# Altium PCB 2022_July.PcbDoc (part 2 of 2)
Units mil, origin at the board's own origin, x right, y up, seen from the top; angles counter-clockwise.
Board outline 3945 x 3530 mil, 3 copper layers (Top Layer, Mid-Layer 1, Bottom Layer); 114 components, 0 nets, 397 pads, 105 vias.
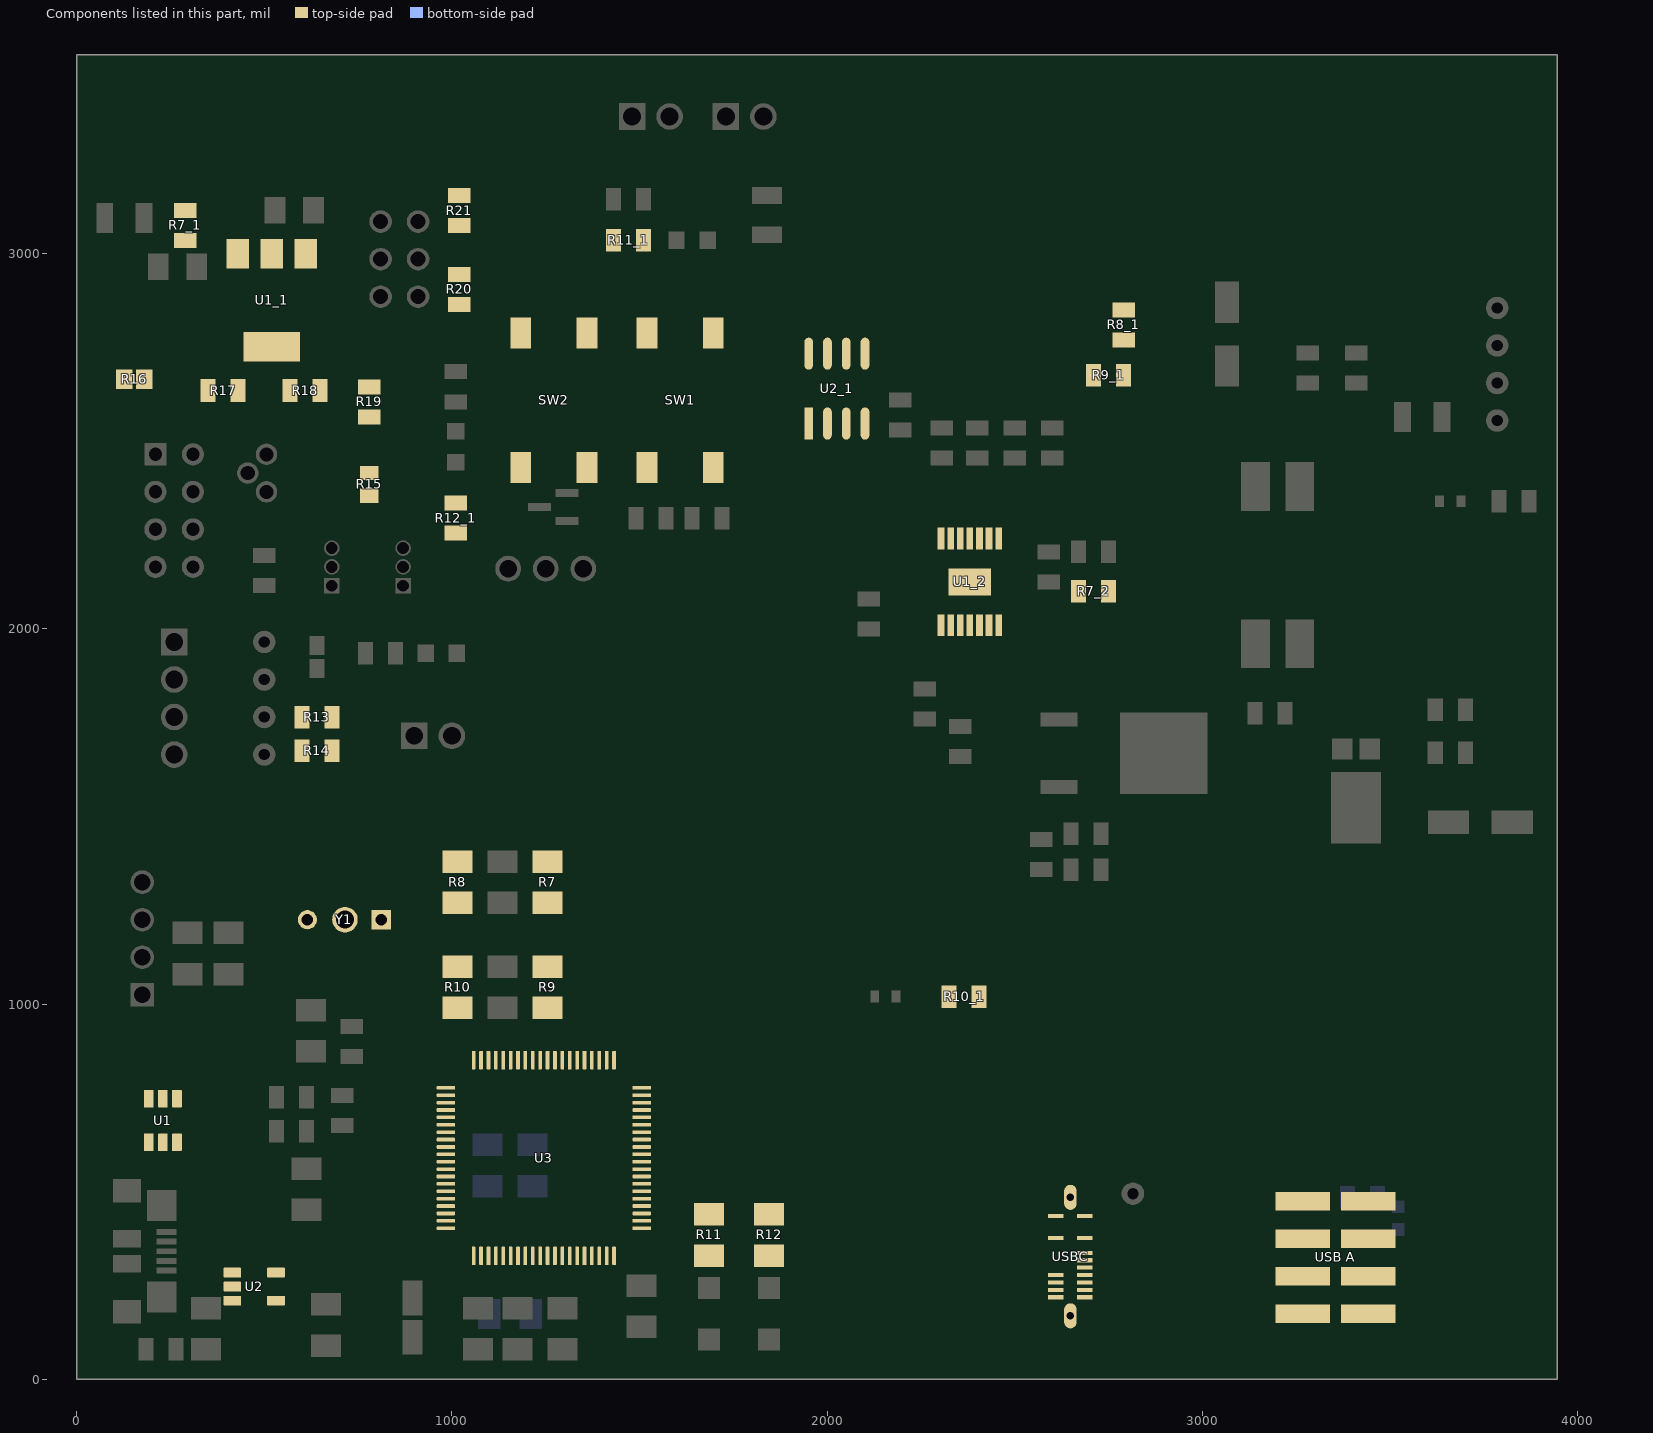
[diagram p3: the components of this part, seen from the top]

## Part data (continued)
R7: library part ERJ-P08J244V, "RES SMD 240K OHM 5% 2/3W 1206", Digi-Key Part Number=P240KALCT-ND, Manufacturer="Panasonic Electronic Components", Operating Temperature="-55°C ~ 155°C", Package / Case="1206 (3216 Metric)", Power (Watts)="0.667W, 2/3W", Supplier Device Package=1206, Temperature Coefficient=±200ppm/°C, Tolerance=±5%, @ qty=1500, Composition="Thick Film", Datasheets=https://industrial.panasonic.com/cdbs/www-data/pdf/RDA0000/AOA0000C243.pdf, Factory Stock=0, Failure Rate=-, Features="Automotive AEC-Q200, Pulse Withstanding", Height - Seated (Max)="0.028\" (0.70mm)", Image=//media.digikey.com/Renders/Panasonic%20Renders/ERJ-1206%20Pkg.jpg, Minimum Quantity=1, Number of Terminations=2, Packaging="Cut Tape (CT)", Part Number=ERJ-P08J244V, Part Status=Active, Quantity Available=21188, Series=ERJ, Size / Dimension="0.126\" L x 0.063\" W (3.20mm x 1.60mm)", Unit Price (USD)=0.02178
R7_1: library part ERJ-6GEY0R00V, "RES SMD 0 OHM JUMPER 1/8W 0805", Digi-Key Part Number=P0.0ACT-ND, Manufacturer="Panasonic Electronic Components", Operating Temperature="-55°C ~ 155°C", Package / Case="0805 (2012 Metric)", Power (Watts)="0.125W, 1/8W", Supplier Device Package=0805, Temperature Coefficient=-, Tolerance=Jumper, @ qty=1500, Composition="Thick Film", Datasheets=http://industrial.panasonic.com/www-cgi/jvcr13pz.cgi?E+PZ+3+AOA0001+ERJ6GEY0R00V+7+WW, Factory Stock=0, Failure Rate=-, Features="Automotive AEC-Q200", Height - Seated (Max)="0.028\" (0.70mm)", Image=//media.digikey.com/Renders/Panasonic%20Renders/ERJ-0805%20Pkg.jpg, Manufacturer Part Number=ERJ-6GEY0R00V, Minimum Quantity=1, Number of Terminations=2, Packaging="Cut Tape (CT)", Part Number=ERJ-6GEY0R00V, Part Status=Active, Quantity Available=1597627, Series=ERJ, Size / Dimension="0.079\" L x 0.049\" W (2.00mm x 1.25mm)", Unit Price (USD)=0.00544
R7_2: library part ERJ-6ENF4422V, "RES SMD 44.2K OHM 1% 1/8W 0805", Digi-Key Part Number=P44.2KCCT-ND, Manufacturer="Panasonic Electronic Components", Operating Temperature="-55°C ~ 155°C", Package / Case="0805 (2012 Metric)", Power (Watts)="0.125W, 1/8W", Supplier Device Package=0805, Temperature Coefficient=±100ppm/°C, Tolerance=±1%, @ qty=1500, Composition="Thick Film", Datasheets=http://industrial.panasonic.com/www-cgi/jvcr13pz.cgi?E+PZ+3+AOA0002+ERJ6ENF4422V+7+WW, Factory Stock=0, Failure Rate=-, Features="Automotive AEC-Q200", Height - Seated (Max)="0.028\" (0.70mm)", Image=//media.digikey.com/Renders/Panasonic%20Renders/ERJ-0805%20Pkg.jpg, Minimum Quantity=1, Number of Terminations=2, Packaging="Cut Tape (CT)", Part Number=ERJ-6ENF4422V, Part Status=Active, Quantity Available=47343, Series=ERJ, Size / Dimension="0.079\" L x 0.049\" W (2.00mm x 1.25mm)", Unit Price (USD)=0.00729
R8: library part ERJ-P08J154V, "RES SMD 150K OHM 5% 2/3W 1206", Digi-Key Part Number=P150KALCT-ND, Manufacturer="Panasonic Electronic Components", Operating Temperature="-55°C ~ 155°C", Package / Case="1206 (3216 Metric)", Power (Watts)="0.667W, 2/3W", Supplier Device Package=1206, Temperature Coefficient=±200ppm/°C, Tolerance=±5%, @ qty=1500, Composition="Thick Film", Datasheets=https://industrial.panasonic.com/cdbs/www-data/pdf/RDA0000/AOA0000C243.pdf, Factory Stock=0, Failure Rate=-, Features="Automotive AEC-Q200, Pulse Withstanding", Height - Seated (Max)="0.028\" (0.70mm)", Image=//media.digikey.com/Renders/Panasonic%20Renders/ERJ-1206%20Pkg.jpg, Minimum Quantity=1, Number of Terminations=2, Packaging="Cut Tape (CT)", Part Number=ERJ-P08J154V, Part Status=Active, Quantity Available=30000, Series=ERJ, Size / Dimension="0.126\" L x 0.063\" W (3.20mm x 1.60mm)", Unit Price (USD)=0.02178
R8_1: library part ERJ-6ENF4222V, "RES SMD 42.2K OHM 1% 1/8W 0805", Digi-Key Part Number=P42.2KCCT-ND, Manufacturer="Panasonic Electronic Components", Operating Temperature="-55°C ~ 155°C", Package / Case="0805 (2012 Metric)", Power (Watts)="0.125W, 1/8W", Supplier Device Package=0805, Temperature Coefficient=±100ppm/°C, Tolerance=±1%, @ qty=1500, Composition="Thick Film", Datasheets=http://industrial.panasonic.com/www-cgi/jvcr13pz.cgi?E+PZ+3+AOA0002+ERJ6ENF4222V+7+WW, Factory Stock=0, Failure Rate=-, Features="Automotive AEC-Q200", Height - Seated (Max)="0.028\" (0.70mm)", Image=//media.digikey.com/Renders/Panasonic%20Renders/ERJ-0805%20Pkg.jpg, Minimum Quantity=1, Number of Terminations=2, Packaging="Cut Tape (CT)", Part Number=ERJ-6ENF4222V, Part Status=Active, Quantity Available=30408, Series=ERJ, Size / Dimension="0.079\" L x 0.049\" W (2.00mm x 1.25mm)", Unit Price (USD)=0.00729
R9 R10: library part ERJ-P08J224V, "RES SMD 220K OHM 5% 2/3W 1206", Digi-Key Part Number=P220KALCT-ND, Manufacturer="Panasonic Electronic Components", Operating Temperature="-55°C ~ 155°C", Package / Case="1206 (3216 Metric)", Power (Watts)="0.667W, 2/3W", Supplier Device Package=1206, Temperature Coefficient=±200ppm/°C, Tolerance=±5%, @ qty=1500, Composition="Thick Film", Datasheets=https://industrial.panasonic.com/cdbs/www-data/pdf/RDA0000/AOA0000C243.pdf, Factory Stock=0, Failure Rate=-, Features="Automotive AEC-Q200, Pulse Withstanding", Height - Seated (Max)="0.028\" (0.70mm)", Image=//media.digikey.com/Renders/Panasonic%20Renders/ERJ-1206%20Pkg.jpg, Minimum Quantity=1, Number of Terminations=2, Packaging="Cut Tape (CT)", Part Number=ERJ-P08J224V, Part Status=Active, Quantity Available=11189, Series=ERJ, Size / Dimension="0.126\" L x 0.063\" W (3.20mm x 1.60mm)", Unit Price (USD)=0.02178
R9_1: library part ERJ-6ENF4701V, "RES SMD 4.7K OHM 1% 1/8W 0805", Digi-Key Part Number=P4.70KCCT-ND, Manufacturer="Panasonic Electronic Components", Operating Temperature="-55°C ~ 155°C", Package / Case="0805 (2012 Metric)", Power (Watts)="0.125W, 1/8W", Supplier Device Package=0805, Temperature Coefficient=±100ppm/°C, Tolerance=±1%, @ qty=1500, Composition="Thick Film", Datasheets=http://industrial.panasonic.com/www-cgi/jvcr13pz.cgi?E+PZ+3+AOA0002+ERJ6ENF4701V+7+WW, Factory Stock=0, Failure Rate=-, Features="Automotive AEC-Q200", Height - Seated (Max)="0.028\" (0.70mm)", Image=//media.digikey.com/Renders/Panasonic%20Renders/ERJ-0805%20Pkg.jpg, Minimum Quantity=1, Number of Terminations=2, Packaging="Cut Tape (CT)", Part Number=ERJ-6ENF4701V, Part Status=Active, Quantity Available=312387, Series=ERJ, Size / Dimension="0.079\" L x 0.049\" W (2.00mm x 1.25mm)", Unit Price (USD)=0.00729
R10_1: library part ERJ-6ENF3920V, "RES SMD 392 OHM 1% 1/8W 0805", Digi-Key Part Number=P392CCT-ND, Manufacturer="Panasonic Electronic Components", Operating Temperature="-55°C ~ 155°C", Package / Case="0805 (2012 Metric)", Power (Watts)="0.125W, 1/8W", Supplier Device Package=0805, Temperature Coefficient=±100ppm/°C, Tolerance=±1%, @ qty=1500, Composition="Thick Film", Datasheets=http://industrial.panasonic.com/www-cgi/jvcr13pz.cgi?E+PZ+3+AOA0002+ERJ6ENF3920V+7+WW, Factory Stock=0, Failure Rate=-, Features="Automotive AEC-Q200", Height - Seated (Max)="0.028\" (0.70mm)", Image=//media.digikey.com/Renders/Panasonic%20Renders/ERJ-0805%20Pkg.jpg, Minimum Quantity=1, Number of Terminations=2, Packaging="Cut Tape (CT)", Part Number=ERJ-6ENF3920V, Part Status=Active, Quantity Available=85711, Series=ERJ, Size / Dimension="0.079\" L x 0.049\" W (2.00mm x 1.25mm)", Unit Price (USD)=0.00729
R11: library part ERJ-8ENF4700V, "RES SMD 470 OHM 1% 1/4W 1206", Digi-Key Part Number=P470FCT-ND, Manufacturer="Panasonic Electronic Components", Operating Temperature="-55°C ~ 155°C", Package / Case="1206 (3216 Metric)", Power (Watts)="0.25W, 1/4W", Supplier Device Package=1206, Temperature Coefficient=±100ppm/°C, Tolerance=±1%, @ qty=1500, Composition="Thick Film", Datasheets=http://industrial.panasonic.com/www-cgi/jvcr13pz.cgi?E+PZ+3+AOA0002+ERJ8ENF4700V+7+WW, Factory Stock=0, Failure Rate=-, Features="Automotive AEC-Q200", Height - Seated (Max)="0.028\" (0.70mm)", Image=//media.digikey.com/Renders/Panasonic%20Renders/ERJ-1206%20Pkg.jpg, Minimum Quantity=1, Number of Terminations=2, Packaging="Cut Tape (CT)", Part Number=ERJ-8ENF4700V, Part Status=Active, Quantity Available=55045, Series=ERJ, Size / Dimension="0.126\" L x 0.063\" W (3.20mm x 1.60mm)", Unit Price (USD)=0.00933
R11_1: library part ERJ-6GEYJ132V, "RES SMD 1.3K OHM 5% 1/8W 0805", Manufacturer="KOA Speer Electronics, Inc.", Manufacturer Part Number=RK73B2ATTD132J, Operating Temperature="-55°C ~ 155°C", Package / Case="0805 (2012 Metric)", Datasheet Link=https://www.koaspeer.com/pdfs/RK73B.pdf, RoHS=YES
R12: library part ERJ-8ENF3900V, "RES SMD 390 OHM 1% 1/4W 1206", Digi-Key Part Number=P390FCT-ND, Manufacturer="Panasonic Electronic Components", Operating Temperature="-55°C ~ 155°C", Package / Case="1206 (3216 Metric)", Power (Watts)="0.25W, 1/4W", Supplier Device Package=1206, Temperature Coefficient=±100ppm/°C, Tolerance=±1%, @ qty=1500, Composition="Thick Film", Datasheets=http://industrial.panasonic.com/www-cgi/jvcr13pz.cgi?E+PZ+3+AOA0002+ERJ8ENF3900V+7+WW, Factory Stock=0, Failure Rate=-, Features="Automotive AEC-Q200", Height - Seated (Max)="0.028\" (0.70mm)", Image=//media.digikey.com/Renders/Panasonic%20Renders/ERJ-1206%20Pkg.jpg, Minimum Quantity=1, Number of Terminations=2, Packaging="Cut Tape (CT)", Part Number=ERJ-8ENF3900V, Part Status=Active, Quantity Available=65574, Series=ERJ, Size / Dimension="0.126\" L x 0.063\" W (3.20mm x 1.60mm)", Unit Price (USD)=0.00933
R12_1: library part ERJ-6ENF10R0V, "RES SMD 10 OHM 1% 1/8W 0805", Manufacturer=YAGEO, Manufacturer Part Number=RC0805FR-0710RL, Operating Temperature="-55°C ~ 155°C", Package / Case="0805 (2012 Metric)", Datasheet Link=https://www.yageo.com/upload/media/product/productsearch/datasheet/rchip/PYu-RC_Group_51_RoHS_L_11.pdf, RoHS=YES
R13 R14: library part ERJ-6ENF4701V, "RES SMD 4.7K OHM 1% 1/8W 0805", Manufacturer=YAGEO, Manufacturer Part Number=RT0805FRE074K7L, Operating Temperature="-55°C ~ 155°C", Package / Case="0805 (2012 Metric)", Datasheet Link=https://www.yageo.com/upload/media/product/productsearch/datasheet/rchip/PYu-RT_1-to-0.01_RoHS_L_12.pdf, RoHS=YES
R15: library part CMP-26527-000066-1, "RES 1M OHM 5% 1/8W 0805", Case Code (Imperial)=0805, Case Code (Metric)=2012, Manufacturer="Stackpole Electronics Inc", Manufacturer Part Number=RMCF0805JT1M00, Max Operating Temperature=155°C, Max Power Dissipation=125mW, Min Operating Temperature=-55°C, Resistance=1MR, Resistor Type="Thick Film", Temperature Coefficient=200ppm/°C, Tolerance=5%, Case/Package=0805, Construction=Rectangular, Contact Plating=Tin, Depth=1.25mm, Features="Automotive AEC-Q200", Height=0.026inch, Lead Free="Lead Free", Length=2mm, Military Standard=Not, Mount="Surface Mount", Number of Terminations=2, Packaging="Tape and Reel", Radiation Hardening=No, RoHS Compliant=Yes, Series=RMCF, Width=0.049inch
R16: library part CMP-26527-007436-1, "RES 10K OHM 1% 1/4W 0805", Case Code (Imperial)=0805, Case Code (Metric)=2012, Manufacturer="Stackpole Electronics Inc", Manufacturer Part Number=RNCP0805FTD10K0, Max Operating Temperature=155°C, Max Power Dissipation=250mW, Min Operating Temperature=-55°C, Resistance=10kR, Resistor Type="Thin Film", Temperature Coefficient=100ppm/°C, Tolerance=1%, Case/Package=0805, Features="Moisture Resistant", Height=0.024inch, Lead Free="Lead Free", Length=0.079inch, Mount="Surface Mount", Number of Terminations=2, Packaging="Tape and Reel", RoHS Compliant=Yes, Series=RNCP, Width=0.049inch
R17 R18 R19 R20 R21: library part ERJ-6ENF47R0V, "RES SMD 47 OHM 1% 1/8W 0805", Digi-Key Part Number=P47.0CCT-ND, Manufacturer="Panasonic Electronic Components", Operating Temperature="-55°C ~ 155°C", Package / Case="0805 (2012 Metric)", Power (Watts)="0.125W, 1/8W", Supplier Device Package=0805, Temperature Coefficient=±100ppm/°C, Tolerance=±1%, @ qty=1500, Composition="Thick Film", Datasheets=http://industrial.panasonic.com/www-cgi/jvcr13pz.cgi?E+PZ+3+AOA0002+ERJ6ENF47R0V+7+WW, Factory Stock=0, Failure Rate=-, Features="Automotive AEC-Q200", Height - Seated (Max)="0.028\" (0.70mm)", Image=//media.digikey.com/Renders/Panasonic%20Renders/ERJ-0805%20Pkg.jpg, Manufacturer Part Number=ERJ-6ENF47R0V, Minimum Quantity=1, Number of Terminations=2, Packaging="Cut Tape (CT)", Part Number=ERJ-6ENF47R0V, Part Status=Active, Quantity Available=66070, Series=ERJ, Size / Dimension="0.079\" L x 0.049\" W (2.00mm x 1.25mm)", Unit Price (USD)=0.00729
SW1 SW2: "SWITCH TACTILE SPST-NO 0.05A 24V", Manufacturer="TE Connectivity", Operating Temperature="-35°C ~ 85°C", Package / Case=Non-standard, Datasheet Link=https://www.te.com/commerce/DocumentDelivery/DDEController?Action=srchrtrv&DocNm=1308111-1_SWITCHES_CORE_PROGRAM_CATALOG&DocType=CS&DocLang=English, Manufacturer Part Number=FSM2JSMA, RoHS=YES
U1: library part CMP-0326-00058-3, "Low-Capacitance + / - 15-kV ESD Protection Array for High-Speed Data Interfaces, 4 Channels, -40 to +85 degC, 6-pin SOT-23 (DBV), Green (RoHS & no Sb/Br)", Breakdown Voltage(Min)(V)=11, IO Capacitance(Typ)(pF)=1.5, Manufacturer="Texas Instruments", 1394 / Firewire=TRUE, ComponentLink1Description="Manufacturer URL", ComponentLink1URL=http://www.ti.com/, ComponentLink2Description=Datasheet, ComponentLink2URL=http://www.ti.com/general/docs/lit/getliterature.tsp?genericPartNumber=TPD4E001&fileType=pdf, ComponentLink3Description="URL Link1", ComponentLink3URL=SamplesURL:http://www.ti.com/product/tpd4e001#samples, DatasheetVersion=SLLS682G, Eco-Plan="Green (RoHS & no Sb/Br)", IEC 61000-4-2 Air-Gap(+/- kV)=15, IEC 61000-4-2 Contact(+/- kV)=8, IO Leakage Current(nA)=1.5, Mounting Technology="Surface Mount", PackageDescription="6-Pin Plastic Small-Outline Package, 2.9 x 1.6 mm Body, 0.95 mm Pitch, 2.8 mm Lead Span", PackageReference=DBV0006A, PackageVersion="revK, Mar-2006", PartNumber=TPD4E001DBVR, Serial ATA / eSATA=TRUE, SubFamily="ESD Solution", USB High Speed=TRUE
U1_1: library part CMP-07128-000031-1, "IC REG LINEAR 3.3V 1A SOT223", Case/Package=SOT-223, Dropout Voltage=1.3V, Manufacturer="On Semiconductor", Max Input Voltage=18V, Max Operating Temperature=125°C, Max Output Current=1A, Min Current Limit=1.1A, Min Input Voltage=-300mV, Min Operating Temperature=0°C, Min Output Voltage=3.3V, Package Quantity=1, Power Supply Rejection Ratio (PSRR)=60dB, Quiescent Current=700uA, Reference Voltage=1.275V, Contact Plating=Tin, Halogen Free="Halogen Free", Height=1.69mm, Lead Free="Lead Free", Length=6.7mm, Manufacturer Part Number=NCP1117LPST33T3G, Mount="Surface Mount", Nominal Output Voltage=3.3V, Number of Outputs=1, Number of Pins=3, Number of Regulators=1, Output Current=1A, Output Type=Fixed, Output Voltage=3.3V, Packaging="Tape and Reel", Polarity=Positive, REACH SVHC="No SVHC", Width=3.7mm
U1_2: "Integrated Circuit", Manufacturer_Name="Texas Instruments", Datasheet Link=https://www.ti.com/lit/gpn/lm5156h?HQS=ti-null-null-sf-df-pf-sep-wwe&DCM=yes, Height=1.2mm, Manufacturer_Part_Number=LM5156HPWPR
U2: library part CMP-0394-01056-2, "Single Output LDO, 200 mA, Fixed 3.3 V Output, 2 to 5.5 V Input, with Low IQ, 5-pin SOT (DDC), -40 to 125 degC, Green (RoHS & no Sb/Br)", Manufacturer="Texas Instruments", Accuracy(%)=2, Code_JEDEC=MO-193, ComponentLink1Description="Manufacturer URL", ComponentLink1URL=http://www.ti.com/, ComponentLink2Description=Datasheet, ComponentLink2URL=http://www.ti.com/general/docs/lit/getliterature.tsp?genericPartNumber=TLV70033&fileType=pdf, ComponentLink3Description="Package Specification", ComponentLink3URL=http://www.ti.com/litv/pdf/mpds123d, DatasheetVersion=SLVSA00D, Eco-Plan="Green (RoHS & no Sb/Br)", Fixed Output Options(V)=3.3, Iout(Max)(A)=0.2, Iq(Typ)(mA)=0.03, Mounting Technology="Surface Mount", PackageDescription="5-Pin Plastic Small Outline, Body 2.9 x 1.6 mm, 0.95 mm Pitch", PackageReference=DDC0005A, PackageVersion=4204403-2/E, PartNumber=TLV70033DDCR, SubFamily="Single Channel LDO", Vdo(Typ)(mV)=175, Vin(Max)(V)=5.5, Vin(Min)(V)=2, Vout Adj(Max)(V)=3.3, Vout Adj(Min)(V)=3.3
U2_1: library part CMP-04916-000011-1, "IC VREF GND REF 20V 1% 8SOIC", Case/Package=SOIC, Max Input Voltage=40V, Max Operating Temperature=125°C, Max Output Current=20mA, Max Output Voltage=20V, Min Operating Temperature=-55°C, Min Output Voltage=2V, Operating Supply Current=400uA, Package Quantity=1, Temperature Coefficient=35ppm/°C, Tolerance=1%, Height=1.58mm, Lead Free="Lead Free", Length=4.9mm, Mount="Surface Mount", Number of Pins=8, Output Current=20mA, Output Type=Adjustable, Output Voltage=20V, Packaging="Tape and Reel", Radiation Hardening=No, REACH SVHC="No SVHC", Reference Type="Ground Reference (Virtual)", Reference Voltage=20V, Weight=0.002677oz, Width=3.91mm
U3: library part CMP-0365-00412-2, "25 MHz Mixed Signal Microcontroller with 128 KB Flash, 8192 B SRAM and 63 GPIOs, -40 to 85 degC, 80-pin QFP (PN), Green (RoHS & no Sb/Br)", Frequency(MHz)=25, Manufacturer="Texas Instruments", Temp Sensor=Yes, ADC="12-bit SAR", ADC Channels=16, Brown Out Reset=Yes, Code_JEDEC=MS-018, Comparators=Yes, ComponentLink1Description="Manufacturer URL", ComponentLink1URL=http://www.ti.com/, ComponentLink2Description=Datasheet, ComponentLink2URL=http://www.ti.com/general/docs/lit/getliterature.tsp?genericPartNumber=MSP430F5529&fileType=pdf, ComponentLink3Description="Package Specification", ComponentLink3URL=http://www.ti.com/lit/ml/mtqf010a/mtqf010a.pdf, DatasheetVersion=SLAS590I, DMA=3, Eco-Plan="Green (RoHS & no Sb/Br)", Flash(KB)=128, GPIO=63, Mounting Technology="Surface Mount", Multiplier=32x32, PackageDescription="80-Pin Plastic Quad Flat Pack, Body 12 x 12 mm, Pitch 0.5 mm", PackageReference=PN0080A, PartNumber=MSP430F5529IPN, Real-Time Clock=Yes, SRAM(B)=8192, SubFamily="5 Series", SVS=Yes, Timers - 16-bit=4, USB=1, USCI_A (UART/LIN/IrDA/SPI)=2, USCI_B (I2C & SPI)=2, Watchdog=Yes
"USB A": "USB A header", Digi-Key Part Number=WM17458-ND, Manufacturer=Molex, Manufacturer Part Number=0015910080, Datasheets=https://www.molex.com/pdm_docs/sd/015910080_sd.pdf, Quantity Available=20779, Total Price (USD)=2.44, Total Quantity=2, Unit Price (USD)=1.22
USBC: "USB Type C 3.1 vertical surface mount connector", Package=None, Availability=Unavailable, MF="Global Connector Technology", MP=USB4151-GF-C, Price=None, SnapEDA_Link=https://www.snapeda.com/parts/USB4151-GF-C/Global%20Connector%20Technology/view-part/4594022/?ref=snap
Y1: "No Description Available", Built_By=EMA_UL_Team, Copyright="Copyright (C) 2018 Accelerated Designs. All rights reserved", Manufacturer_Part_Number=CSTLS4M00G56-A0, RefDes=RefDes, Type=DEV, Vendor=Murata

## Free pads (board coordinates)
  round 60 hole 30: 2(2814.41,495.04)

## Via types
v1: diameter 50, hole 28, Top Layer to Bottom Layer, 37 vias
v2: diameter 24, hole 12, Top Layer to Bottom Layer, 27 vias
v3: diameter 30, hole 15, Top Layer to Bottom Layer, 11 vias
v4: diameter 25, hole 10, Top Layer to Bottom Layer, 9 vias
v5: diameter 23.62, hole 11.81, Top Layer to Bottom Layer, 6 vias
v6: diameter 15.75, hole 7.87, Top Layer to Bottom Layer, 5 vias
v7: diameter 40, hole 15, Top Layer to Bottom Layer, 5 vias
v8: diameter 19.68, hole 7.87, Top Layer to Bottom Layer, 3 vias
v9: diameter 17.72, hole 7.87, Top Layer to Bottom Layer, 1 vias
v10: diameter 50, hole 25, Top Layer to Bottom Layer, 1 vias

## Nets (pads, with @x,y where several pads share a name; then routed paths per layer and width w, separated by ;. In a path a pad name is that pad's centre, name@x,y a point inside that pad or via, vN(x,y) a via of type N, cw(c..) or ccw(c..) an arc to the next point about the centre after c; other vN are vias at no path point)
pads on no net: "USB A.1" "USB A.2" "USB A.3" "USB A.4" "USB A.5" "USB A.6" "USB A.7" "USB A.8" C1.1 C1.2 C1_1.1 C1_1.2 C1_2.1 C1_2.2 C1_3.1 C1_3.2 C2.1 C2.2 C2_1.1 C2_1.2 C2_2.1 C2_2.2 C3.1 C3.2 C3_1.1 C3_1.2 C3_2.1 C3_2.2 C4.1 C4.2 C4_1.1 C4_1.2 C5.1 C5.2 C5_1.1 C5_1.2 C6.1 C6.2 C6_1.1 C6_1.2 C7.1 C7.2 C7_1.1 C7_1.2 C8.1 C8.2 C8_1.1 C8_1.2 C9.1 C9.2 C9_1.1 C9_1.2 C10.1 C10.2 C10_1.1 C10_1.2 C11.1 C11.2 C11_1.1 C11_1.2 C12.1 C12.2 C12_1.1 C12_1.2 C13.1 C13.2 C13_1.1 C13_1.2 C14.1 C14.2 C14_1.1 C14_1.2 C15.1 C15.2 C15_1.1 C15_1.2 D1.1 D1.2 D1_1.1 D1_1.2 D2.1 D2.2 D2_1.1 D2_1.2 D2_1.3 D3.1 D3.2 D3_1.1 D3_1.2 DS1.1 DS1.2 DS2.1 DS2.2 F1.1 F1.2 F1_1.1 F1_1.2 F2.1 F2.2 J1.1 J1.2 J1.3 J1.4 J1.5 J1.6 J1.7 J1.8 J1.9 J1.10 J1.11 J1_2.1 J1_2.2 J1_2.3 J1_2.4 J2.1 J2.2 J4_1.1 J4_1.2 J5.1 J5.2 J5.3 J5.4 J5_1.1 J5_1.2 J5_1.3 J5_1.4 J5_1.5 J5_1.6 J6.1 J6.2 J7.1 J7.2 J7.3 J8.1 J8.2 J8.3 J8.4 J9.1 J9.2 J9.3 J9.4 J9.5 J9.6 J9.7 J9.8 J10.1 J10.2 J10.3 J10.4 L1.1 L1.2 L1.3 L1.4 Q1.D Q1.G Q1.S Q1_1.1 Q1_1.2 Q1_1.3 Q2.1 Q2.2 Q2.3 Q3.1 Q3.2 Q3.3 Q4.1 Q4.2 Q4.3 R1.1 R1.2 R1_1.1 R1_1.2 R1_2.1 R1_2.2 R1_3.1 R1_3.2 R2.1 R2.2 R2_1.1 R2_1.2 R2_2.1 R2_2.2 R3.1 R3.2 R3_1.1 R3_1.2 R3_2.1 R3_2.2 R4.1 R4.2 R4_1.1 R4_1.2 R4_2.1 R4_2.2 R5.1 R5.2 R5_1.1 R5_1.2 R5_2.1 R5_2.2 R6.1 R6.2 R6_1.1 R6_1.2 R6_2.1 R6_2.2 R7.1 R7.2 R7_1.1 R7_1.2 R7_2.1 R7_2.2 R8.1 R8.2 R8_1.1 R8_1.2 R9.1 R9.2 R9_1.1 R9_1.2 R10.1 R10.2 R10_1.1 R10_1.2 R11.1 R11.2 R11_1.1 R11_1.2 R12.1 R12.2 R12_1.1 R12_1.2 R13.1 R13.2 R14.1 R14.2 R15.1 R15.2 R16.1 R16.2 R17.1 R17.2 R18.1 R18.2 R19.1 R19.2 R20.1 R20.2 R21.1 R21.2 SW1.1 SW1.2 SW1.3 SW1.4 SW2.1 SW2.2 SW2.3 SW2.4 U1.1 U1.2 U1.3 U1.4 U1.5 U1.6 U1_1.1 U1_1.2 U1_1.3 U1_1.4 U1_2.1 U1_2.2 U1_2.3 U1_2.4 U1_2.5 U1_2.6 U1_2.7 U1_2.8 U1_2.9 U1_2.10 U1_2.11 U1_2.12 U1_2.13 U1_2.14 U1_2.15 U2.1 U2.2 U2.3 U2.4 U2.5 U2_1.1 U2_1.2 U2_1.3 U2_1.4 U2_1.5 U2_1.6 U2_1.7 U2_1.8 U3.1 U3.2 U3.3 U3.4 U3.5 U3.6 U3.7 U3.8 U3.9 U3.10 U3.11 U3.12 U3.13 U3.14 U3.15 U3.16 U3.17 U3.18 U3.19 U3.20 U3.21 U3.22 U3.23 U3.24 U3.25 U3.26 U3.27 U3.28 U3.29 U3.30 U3.31 U3.32 U3.33 U3.34 U3.35 U3.36 U3.37 U3.38 U3.39 U3.40 U3.41 U3.42 U3.43 U3.44 U3.45 U3.46 U3.47 U3.48 U3.49 U3.50 U3.51 U3.52 U3.53 U3.54 U3.55 U3.56 U3.57 U3.58 U3.59 U3.60 U3.61 U3.62 U3.63 U3.64 U3.65 U3.66 U3.67 U3.68 U3.69 U3.70 U3.71 U3.72 U3.73 U3.74 U3.75 U3.76 U3.77 U3.78 U3.79 U3.80 USBC.A1 USBC.A2 USBC.A3 USBC.A4 USBC.A5 USBC.A6 USBC.A7 USBC.A9 USBC.A12 USBC.B1 USBC.B4 USBC.B9 USBC.B10 USBC.B11 USBC.B12 USBC.S1 USBC.S4 Y1.1 Y1.2 Y1.3
copper on no net: | length 85099.2
  Top Layer w4: 2380,2125 2405.59,2099.41 ; v1@2403.68,2118.68 2431.18,2091.17
  Top Layer w8: 126.74,2665 130,2661.74 130,2635 150,2615 252,2615 ; 160,2875 207.25,2922.25 207.25,2954.62 217.64,2965 ; 175,1225 178.5,1221.5 218.5,1221.5 245,1195 290,1195 295,1190 405,1190 460,1190 477.56,1172.44 v2(477.56,813.94) ; 175,1325 180,1320 400,1320 530,1190 v2(530,845) ; 230,631.93 230,595 245,580 325,580 340,565 v2(340,450) ; 239.32,392.72 243.19,396.59 275.31,396.59 281.39,402.67 281.39,403.14 295,416.75 v2(295,420) ; 260,1965 458,1767 498,1767 500,1765 ; 310,2365 360,2415 456,2415 ; v10(335,270) 379.19,314.19 574.19,314.19 714.21,454.21 714.21,556.08 848.13,690 v2(880,690) 919.73,690 928,698.27 984.17,698.27 ; 385,1220 430,1220 ; 415,210.2 406.2,218.99 386.01,218.99 375,230 375,270 381.2,276.2 406.2,276.2 415,285 ; 415,247.6 415.3,247.3 ; 460,1665 500,1665 ; v1@471.7,247.3 v1(472,247) ; 500,1865 615.43,1865 640,1889.57 640,1894.4 ; 500,2195 506,2201 ; 613,662 652,662 662.5,651.5 662.5,650.58 671.58,641.5 775.14,641.5 850.78,717.14 984.17,717.14 ; 613,752 617.59,756.59 705.41,756.59 ; 712.59,756.59 984.17,756.59 ; v2(785,565) 930,565 945.16,580.16 984.17,580.16 ; v2(805,600) 828.89,600 829.04,599.84 984.17,599.84 ; v2(813.06,481.94) 822.48,481.94 822.69,481.73 984.17,481.73 ; 850,1935 930,1935 ; v2(855,640) 855,638.65 874.13,619.53 984.17,619.53 ; 890,3085 1010.63,3085 1020,3075.63 ; v2(900,645) 904.33,645 910.12,639.21 984.17,639.21 ; v5(904.19,990) 905,990.81 905,1095.36 979,1169.36 979,1244 1005,1270 1015,1270 1145,1270 1171,1296 1171,1296.51 1195,1320.51 1195,1330 1245,1380 1255,1380 ; v2(925,900) 925,1096.97 1003.03,1175 1185,1175 1245,1235 1245,1260 1255,1270 ; v5(930,460) 931.13,461.13 983.25,461.13 984.17,462.05 ; 950.63,2944.37 1020,2944.37 ; 984.17,442.36 985.09,443.28 1258.28,443.28 1300,485 1300,660 1245,715 1110,715 1044.07,780.93 1044.07,964 1018.07,990 1015,990 1135,990 1145,990 1219,1064 1219,1074 1245,1100 1255,1100 ; 984.17,658.9 1076.1,658.9 1093.53,641.47 1093.53,626.47 v2(1095,625) ; 984.17,678.58 1161.42,678.58 v2(1215,625) ; 1254.76,329.09 1254.84,329.17 1254.84,348.86 1255.76,349.78 1255.92,349.78 1260.61,354.47 1260.61,356.35 1267.03,362.78 1288.45,362.78 1335,409.33 1335,706.62 1254.84,786.77 1254.84,989.84 1255,990 ; 1274.53,850.83 1275.45,849.91 1275.45,784.55 1360,700 1360,375.28 1347.5,362.78 1326.09,362.78 1319.66,356.35 1319.66,354.47 1314.97,349.78 1314.82,349.78 1313.9,348.86 1313.9,329.17 ; 1505.83,442.36 1682.64,442.36 1685,440 ; 1505.83,462.05 1562.05,462.05 1605,505 1805,505 1835,475 1835,450 1845,440 ; 1685,243.9 1685,330 ; 1845,243.9 1845,330
  Top Layer w10: 30,2545 306.63,2545 350.63,2589 350.63,2635 ; 30,2845 126.74,2748.26 126.74,2665 ; 130,3135 130,2998.48 132.72,2995.76 ; 160,2875 130,2845 130,2835 140,2835 180,2795 180,2665 ; 185,80 185,90 170,105 162.62,105 134,133.62 134,180.12 ; 226.52,219.49 173.37,219.49 166.4,212.52 166.4,206.61 139.91,180.12 134,180.12 ; 226.52,463.58 226.52,465.55 189.12,502.95 v2(134,502.95) 134,375 134,308.07 134,180.12 ; 252,2615 322,2685 371.18,2685 390,2666.18 390,2568.94 493.94,2465 506,2465 ; 310,2165 310,2265 310,2365 310,2465 ; v5(405,850) v2(405,1080) ; v4(420,2575) 464.74,2575 524.74,2635 578.74,2635 ; 429.37,2635 490,2635 540,2685 630,2685 760,2815 760,2945 800,2985 ; v5(430,595) 530,495 v5(530,335) ; 456,2415 679,2415 679.54,2415.54 780,2415.54 ; 500,1665 590,1665 600,1675 ; 500,1765 600,1765 ; 500,2115 680,2115 ; 506,2365 769.46,2365 780,2354.46 ; 625,984 680,984 723,941 733,941 823,941 853.67,910.33 853.67,856.33 915.82,794.18 915.82,793.18 931.99,777.01 984.17,777.01 ; 648.74,2635 666.06,2652.32 666.06,2671.06 860,2865 860,3035 810,3085 ; 675,205 1157.74,205 ; 680,2215 750,2145 750,2045 810,1985 810,1805 900,1715 1053,1868 1053,2668 1140,2755 1140,2929.72 1188.41,2881.32 1266.32,2881.32 1288,2903 1288,2993 1430,3135 1430,3145 ; 708,677 718,677 778.64,737.64 984.17,737.64 ; 780,2565.63 780,2485 v4(910,2355) ; 780,2644.37 780,2745 910,2875 910,2885 ; 790,2354.46 790,2105 814,2081 910,2081 953,2124 953,2208 1000,2255 1010,2255 ; 870,2165 935.5,2230.5 935.5,2653.5 967,2685 1020,2685 1070,2735 1070,2955 1100,2985 1184.72,2985 1240,2929.72 ; 910,2985 950.63,2944.37 ; v4(930,2044.5) 930.5,2044.5 972,2003 974,2003 1012.68,1964.32 1012.68,1935 ; v4(962,2562) 962,2567 1000,2605 1010,2605 1010,2526.34 ; 1000,1715 1085,1800 v4(1085,2115) ; 1010,2335 1010,2443.66 ; v4(1020,2825) 1020,2865.63 ; 1020,3154.37 1372.4,3154.37 1388.51,3170.48 1388.51,3171.89 1411.62,3195 1450,3195 1470,3175 1470,3116.62 1443.38,3090 1416.62,3090 1397,3070.38 1397,2999.62 1483.62,2913 1662,2913 1830,2745 ; 1150,2160.28 1183.62,2193.9 1183.62,2430 1183.62,2788.27 ; v2(1185,275) 1186.91,276.91 1190.29,276.91 1215.39,302.02 1215.39,329.09 1215.47,329.17 ; 1233,2325 1233.58,2325 ; 1250,2160.28 1255.28,2160.28 1310,2215 1390,2215 1420,2185 1420,2129.69 1454.69,2095 1710,2095 1750,2135 1750,2185 1680,2255 1680,2325 1791.43,2436.43 1821.43,2436.43 1830,2445 ; 1254.76,329.09 1254.76,302.02 1157.74,205 ; v3(1275,255) 1313.9,293.9 1313.9,329.17 ; 1294,2240 1410.28,2240 1490,2160.28 ; 1294.15,2240.15 1262.91,2271.39 1262.91,2378.61 1314.29,2430 1360,2430 1360,2788.27 1360,2893.25 1340,2913.25 1340,2929.72 ; 1294.21,850.83 1294.29,850.75 1294.29,823.67 1304.74,813.22 1783.22,813.22 1835,865 ; 1306.42,2287.6 1326.1,2287.6 1376.51,2338 1537,2338 1570,2305 1570,2295 1640,2295 ; 1306.42,2362.4 1466.18,2362.4 1520,2416.22 1520,2430 ; 1313.9,850.83 1313.98,850.91 1313.98,877.98 1401,965 1835,965 ; 1392.64,329.17 1392.56,329.09 1392.56,302.02 1295.54,205 1157.74,205 ; v3(1412.24,256.24) 1412.24,329.09 1412.32,329.17 ; 1430,3035 1430,3039.14 1445,3054.14 1459.14,3054.14 1510,3105 1510,3145 1510,3256 1480,3286 1480,3365 ; 1432.01,329.17 1432.01,309.65 1466.65,275 1480,275 1505,250 ; 1432.01,850.83 1432.01,902.01 1465,935 v2(1730,935) ; 1490,2295 1490,2260.28 1590,2160.28 ; 1505.83,678.58 1553.58,678.58 v2(1615,740) ; 1505.83,698.27 1505.91,698.35 1532.98,698.35 1578.09,743.45 1578.09,748.09 v2(1580,750) ; 1505.83,777.01 1634.3,777.01 1642.29,785 v2(1645,785) ; 1510,3035 1598.66,3035 ; 1520,2788.27 1520,2430 ; v4(1585,2430) 1520,2430 ; 1681.34,3035 1681.34,3033.03 1697.99,3016.38 1699.96,3016.38 1771.34,2945 1830,2945 ; 1690,2160.28 1640,2210.28 1640,2295 ; 1696.38,2788.27 1696.38,2430 1696.38,2416.22 1640.16,2360 1640,2360 1640,2295 ; 1720,2295 1720,2255 1830,2145 ; 1730,3365 1730,3245 1802.5,3172.5 1822.5,3172.5 1840,3155 ; v1(1950,2665) 1950.33,2665.33 1950.33,2766.62 1950.66,2766.94 ; 1950.66,2953.06 1950.66,3020.66 1970,3040 ; v1(1965,2640) 2000.35,2604.65 2000.35,2547.25 2000.66,2546.94 ; 1970,2820 2170,2820 2195,2795 2195,2610 ; v1(2045,1020) 2126.46,1020 ; 2050.66,2546.94 2050.33,2546.62 2050.33,2445.33 v1(2050,2445) 2100,2445 2185,2530 2195,2530 ; 2110,2000 v1(2110,1875) 2145,1840 2260,1840 2270,1840 2303.23,1873.23 2303.23,2009.33 ; 2110,2080 2110,2345 2220,2455 2305,2455 ; 2183.54,1020 2325,1020 ; v1(2260,1705) 2260,1750 ; 2303.23,2240.67 2303.23,2453.23 2305,2455 ; 2305,2535 2400,2535 2499,2535 2600,2535 v1(2665,2535) 2665,2620 2710,2665 2710,2675 ; 2354.41,2009.33 2354.7,2009.04 2354.7,1830.3 v1(2355,1830) 2355,1740 ; 2354.41,2240.67 2356.14,2242.4 2356.14,2322.14 2489,2455 2499,2455 ; v1(2355,1595) 2355,1660 ; 2380,2009.33 2380.23,2009.1 2380.23,1965.3 2587,1758.53 2617.5,1758.53 ; 2380,2240.67 2381.73,2242.4 2381.73,2309.45 2481.39,2409.1 2544.1,2409.1 2590,2455 2600,2455 ; 2400,2455 2305,2455 ; 2405,1020 v1(2510,1020) ; 2405.59,2009.33 2405.59,2099.41 ; 2405.59,2240.67 2405.59,2290.59 2480,2365 2581.21,2365 2790,2573.79 2790,2675 2790,2770 ; v1(2410,2125) 2590,2125 2600,2125 2625,2100 2670,2100 ; 2431.18,2009.33 2431.18,2091.17 ; 2431.18,2240.67 2432.91,2242.4 2432.91,2275.92 2457,2300 v1(2525,2300) ; 2456.77,2009.33 2490.67,2009.33 v1(2545,1955) ; 2456.77,2240.67 2544.33,2240.67 2580,2205 2590,2205 2670,2205 ; v1(2470,1390) 2501.43,1358.57 2570,1358.57 2650,1358.57 ; v8(2569.41,230.04) 2572.03,230.04 2580.33,238.34 2608.9,238.34 2609.41,238.85 ; v9(2569.41,265.04) 2571.5,265.04 2577.49,259.05 2608.9,259.05 2609.41,258.54 ; 2609.41,219.17 2624.57,219.17 ; 2643.31,174.05 2647.8,169.56 2652.28,174.05 ; 2643.31,480.82 2647.8,485.31 2652.28,480.82 ; 2671.02,219.17 2686.18,219.17 ; 2671.02,435.71 2686.18,435.71 ; 2686.18,238.85 2701.34,238.85 2702.64,240.15 2712.18,240.15 2713.13,241.1 2878.12,241.1 2901.68,217.54 3264.26,217.54 3270.11,211.68 3270.11,191.54 3286.61,175.04 ; 2686.18,258.54 2701.34,258.54 2702.64,257.24 2712.18,257.24 2713.32,256.1 2884.33,256.1 2907.89,232.54 3264.26,232.54 3270.11,238.4 3270.11,258.54 3286.61,275.04 ; 2686.18,317.59 2730.01,317.59 2737.45,325.04 3057.7,325.04 3150.2,417.54 3253.92,417.54 3262.28,409.18 3262.28,395.04 3282.28,375.04 3286.61,375.04 ; 2686.34,337.44 2728.64,337.44 2731.24,340.04 3051.49,340.04 3143.99,432.54 3255.56,432.54 3261.42,438.4 3261.42,440.04 3262.28,440.9 3262.28,455.04 3282.28,475.04 3286.61,475.04 ; 2730,1443.57 2730,1453.57 ; 2750,2100 2750,2205 ; 2790,2850 v1(2790,2925) ; 3065,2869.65 3135.35,2869.65 3270,2735 3280,2735 3410,2735 3751.47,2735 3771.47,2755 3785,2755 3785,2855 ; v8@3360.2,210.68 3367.06,217.54 3455.56,217.54 3461.42,211.68 3461.42,175.04 ; v8@3360.2,239.39 3367.06,232.54 3455.56,232.54 3461.42,238.4 3461.42,275.04 ; 3688.54,2340 3790,2340 ; 3785,2655 3789.14,2650.86 ; v1(3870,2240) 3870,2340 ; 20,1550 1885,1550 1885,3520 20,3520 20,1550 ; 1905,870 3915,870 3915,3530 1905,3530 1905,870 ; 2225,40 3730,40 3730,745 2225,745 2225,40
  Top Layer w12: 2686.18,297.91 2713.09,297.91 2720.62,290.38 2739.07,290.38 v4(2739.41,290.04)
  Top Layer w15: 175,1025 365,1025 376.59,1036.59 376.59,1057.5 399.09,1080 v2(405,1080) ; 175,1125 189.88,1125 208.88,1106 269,1106 295,1080 ; v2(193,630) 193,690.46 150,733.46 150,805 160,815 425,815 v2(465,775) ; 239.32,315.94 239.61,316.24 291.75,316.24 398.47,422.96 398.47,599.39 493.58,694.5 511.71,694.5 520.5,685.71 520.5,674.5 v2@533,662 ; 239.32,341.54 239.61,341.24 281.39,341.24 373.47,433.32 373.47,609.74 483.22,719.5 511.71,719.5 520.5,728.29 520.5,739.5 529.07,748.07 ; 267.4,748.07 529.07,748.07 ; 533,752 529.07,748.07 ; 613,562 613,662 ; 613,752 613,862 625,874 ; 705.41,756.59 705.41,833.41 710.5,838.5 710.5,848.5 723,861 733,861
  Top Layer w20: 30,2945 30,3032.5 75,3077.5 75,3095 ; 130,1645 150,1665 260,1665 310,1615 654,1615 680,1641 680,1675 680,1765 680,1775 770,1865 770,1935 760,1945 649.92,1945 640,1954.92 640,1955.6 630.6,1965 500,1965 450,2015 450,2155 495,2200 ; 130,2945 132.72,2947.72 132.72,2995.76 168.51,3031.55 286.55,3031.55 290,3035 ; 180,3095 180,3112.5 232.5,3165 500,3165 ; 500,2195 510,2195 520,2185 520,2176.72 531.72,2165 680,2165 ; 506,2201 506,2365 ; 690,2885 690,2855 v4(710,2835)
  Top Layer w23: 415.3,247.3 v1@471.7,247.3
  Mid-Layer 1 w10: v1(2110,1875) 2205,1970 2205,2131.57 2648.43,2575 2806.3,2575 2866.3,2515 v1(3035,2515) ; v1(2355,1830) 2355,1956.8 2550,2151.8 2550,2275 v1(2525,2300) ; v1(2470,1390) 2470,1660 2545,1735 v1(2545,1955)
  Bottom Layer w8: v10(335,270) 337.7,272.7 337.7,447.7 v2(340,450) ; v2(477.56,813.94) 479.31,813.94 811.31,481.94 v2(813.06,481.94) ; v2(530,845) 530,820 v2(785,565) ; 715,1225 715,690 v2(805,600) ; 811.85,1225 811.85,683.15 v2(855,640) ; v2(880,690) 905,715 905,805 925,825 v2(925,900) ; v5(904.19,990) 905,990 930,965 948,947 948,808 930,790 v5(930,460) ; v4(910,2355) 1020,2245 1830,2245
  Bottom Layer w10: v2(134,502.95) 136.21,502.95 265.19,631.93 v2(267.4,631.93) ; 160,2575 v4(420,2575) ; v5(405,850) 405,620 v5(430,595) ; v5(528.64,285) 529.32,285.68 529.32,334.32 v5(530,335) ; 680,2115 750,2045 1830,2045 ; 870,2115 v4(1085,2115) ; v4(1020,2825) 1074.63,2825 1094.63,2845 1830,2845 ; 1100,175 1100,185 1183.09,268.09 1183.09,273.09 v2(1185,275) ; v2(1580,750) 1580,1110 ; v2(1615,740) 1615,1045 ; v2(1645,785) 1705,845 1705,1040 ; v2(1730,935) 1779.06,984.06 1779.06,1009.06 ; v8(2569.41,230.04) 2570.11,230.04 2580.11,240.04 2879.18,240.04 2901.68,217.54 3343.78,217.54 3346.13,215.2 3348.64,215.2 3353.8,210.04 v8(3356.42,210.04) ; v9(2569.41,265.04) 2569.41,264.76 2579.13,255.04 2885.39,255.04 2907.89,232.54 3343.78,232.54 3346.13,234.88 3348.64,234.88 3353.8,240.04 v8(3356.42,240.04)
  Bottom Layer w15: v2(465,775) 530,710 v2(530,660)
  Bottom Layer w20: v7(665,275) 720,330 745,330 1875,330 1915,370 1915,685 1835,765
  Bottom Layer w30: v4(2739.41,290.04) 2934.41,485.04 ; 2933.58,485.04 3386.42,485.04
  other v1: 3571.42,375.04 3571.42,475.04 860,850 2795,1358.57 3305,1420 2795,1453.57 3255,1470 3305,1520 3555,1550 3255,1570 3555,1610 3810,1640 3555,1725 3810,1740 3810,1840 3700,1875 2350,2125 3115,2365 3170,2365
  other v2: 1685,106.1 1845,106.1 230,748.07
  other v3: 1070,80 1175,80 1295,80 895,110 1502.24,136.24 1015,1100 1135,1100 1015,1380 1135,1380
  other v6: 2649.41,300.04 2644.41,325.04 2649.41,345.04 2644.41,365.04 2649.41,390.04
  other v7: 265,80 345,80 665,90 613,452

## Polygon pours and split planes (outlines as drawn)
no net on Bottom Layer "NONET_L03_P025" (solid, shelved, pour order 25): 35,3510 35,1590 1955,1590 1955,3510
no net on Bottom Layer "NONET_L03_P032" (solid, shelved, pour order 32): 3601.42,339.88 3491.42,339.88 3491.42,434.88 3601.42,434.88
no net on Bottom Layer "NONET_L03_P033" (solid, shelved, pour order 33): 3601.42,444.88 3601.42,559.88 3426.42,559.88 3426.42,444.88
no net on Bottom Layer "NONET_L03_P104" (solid, shelved, pour order 104): 95,1505 1915,1505 1915,45 95,45
no net on Mid-Layer 1 "NONET_L02_P097" (solid, shelved, pour order 97): 3250,1645 3250,3495 4000,3495 4000,3395 4100,3395 4100,1645
no net on Mid-Layer 1 "NONET_L02_P098" (solid, shelved, pour order 98): 2100,1395 2600,1395 2600,1595 2500,1595 2500,1795 2400,1795 2400,1945 2300,1945 2300,2095 2100,2095
no net on Mid-Layer 1 "NONET_L02_P099" (solid, shelved, pour order 99): 2400,2845 2700,2845 2700,3045 2800,3045 2800,3495 2400,3495
no net on Mid-Layer 1 "NONET_L02_P100" (solid, shelved, pour order 100): 3250,2745 2700,2745 2700,1545 3000,1545 3000,1645 3250,1645
no net on Top Layer "NONET_L01_P026" (solid, shelved, pour order 26): 635,3050 625,3040 625,2910 655,2880 755,2880 775,2900 775,3160 755,3180 655,3180 635,3160
no net on Top Layer "NONET_L01_P027" (solid, shelved, pour order 27): 545,3130 515,3160 515,3180 605,3180 625,3160 625,3060 615,3050 615,2910 655,2870 695,2870 715,2850 715,2730 695,2710 345,2710 325,2730 325,2880 345,2900 425,2900 485,2900 545,2950
no net on Top Layer "NONET_L01_P028" (solid, shelved, pour order 28): 305,3150 285,3130 285,3090 305,3070 385,3070 395,3060 395,3020 385,3010 345,3010 325,2990 325,2930 345,2910 495,2910 535,2950 535,3020 535,3120 505,3150
no net on Top Layer "NONET_L01_P029" (solid, shelved, pour order 29): 2589,230.04 2589,405.04 2719,405.04 2719,230.04
no net on Top Layer "NONET_L01_P030" (solid, shelved, pour order 30): 3351.42,329.88 3351.42,429.88 3601.42,429.88 3601.42,329.88
no net on Top Layer "NONET_L01_P031" (solid, shelved, pour order 31): 3351.42,439.88 3601.42,439.88 3601.42,524.88 3351.42,524.88
no net on Top Layer "NONET_L01_P034" (solid, shelved, pour order 34): 2719,125.04 2718.87,125.17 2718.87,227.12 2589.01,227.12 2589,227.1 2589,125.04
no net on Top Layer "NONET_L01_P035" (solid, shelved, pour order 35): 2589,425.04 2719,425.04 2719,525.04 2589,525.04
no net on Top Layer "NONET_L01_P085" (solid, shelved, pour order 85): 2760,1868.57 2760,1698.57 2635,1698.57 2635,1868.57
no net on Top Layer "NONET_L01_P086" (solid, shelved, pour order 86): 3565,1930 3300,1930 3300,2295 3565,2295
no net on Top Layer "NONET_L01_P087" (solid, shelved, pour order 87): 3275,2285 2860,2285 2860,1805 3275,1805
no net on Top Layer "NONET_L01_P088" (solid, shelved, pour order 88): 3655,2655 3740,2655 3740,2580 3300,2580 3300,2755 3100,2755 3100,3030 3300,3030 3300,2955 3655,2955
no net on Top Layer "NONET_L01_P089" (solid, shelved, pour order 89): 2950,1580 2795,1580 2795,1780 2950,1780
no net on Top Layer "NONET_L01_P090" (solid, shelved, pour order 90): 3955,2965 3705,2965 3705,2690 3955,2690
no net on Top Layer "NONET_L01_P091" (solid, shelved, pour order 91): 2050,1095 2050,845 2250,845 2250,1095
no net on Top Layer "NONET_L01_P092" (solid, shelved, pour order 92): 3305,1890 3305,1665 3805,1665 3805,1865 3730,1865 3730,2115 3580,2115 3580,1890
no net on Top Layer "NONET_L01_P093" (solid, shelved, pour order 93): 3830,1665 3830,1890 3755,1890 3755,2190 3980,2190 3980,1665
no net on Top Layer "NONET_L01_P094" (solid, shelved, pour order 94): 2300,2095 2400,2095 2600,2095 2600,1595 2600,1395 2100,1395 2100,2095
no net on Top Layer "NONET_L01_P095" (solid, shelved, pour order 95): 2800,3045 2800,3495 2400,3495 2400,2845 2700,2845 2700,3045
no net on Top Layer "NONET_L01_P096" (solid, shelved, pour order 96): 3800,3045 3800,3495 2950,3495 2950,3195 3100,3195 3100,3245 3250,3245 3250,3195 3350,3195 3350,3045
no net on Top Layer "NONET_L01_P101" (solid, shelved, pour order 101): 2950,3495 2800,3495 2800,3245 2950,3245
no net on Top Layer "NONET_L01_P102" (solid, shelved, pour order 102): 2350,2945 2350,2145 2000,2145 2000,2945
no net on Top Layer "NONET_L01_P103" (solid, shelved, pour order 103): 505,305 705,305 705,185 625,185 625,255 505,255
no net on Top Layer "NONET_L01_P105" (solid, shelved, pour order 105): 210,300 445,300 445,175 210,175

## Silkscreen, mask and mechanical layers (free items; w line width, h text height)
Top Overlay:
  lines w5: 865,2385 955,2385 955,2575 865,2575 865,2385 ; 970,2025 970,2215 1060,2215 1060,2025 970,2025 ; 1550,3090 1740,3090 1740,3180 1550,3180 1550,3090
  lines w7.87: 910,1995 930,1995 ; 920,1985 920,2005 ; 1010,1995 1030,1995 ; 1060,2425 1080,2425 ; 1070,2415 1070,2435 ; 1070,2525 1070,2545 ; 1580,2975 1600,2975 ; 1590,2965 1590,2985 ; 1680,2975 1700,2975
  lines w8: 132.05,1965 132.05,2011.85 260,2011.85 ; 487.5,2312.5 576.08,2312.5 ; 487.5,2517.5 576.08,2517.5 ; 853.15,1592.95 900,1592.95 ; 853.15,1593 853.15,1715 ; 1433.15,3365 1433.15,3242.95 1480,3242.95 ; 1683.15,3365 1683.15,3242.95 1730,3242.95
  lines w10: 2105,975 2435,975 2435,1065 2105,1065 2105,975 ; 2725.59,227.57 2725.59,306.57 2786.59,306.57 2786.59,227.57 2725.59,227.57 ; 2725.59,345.69 2725.59,424.69 2786.59,424.69 2786.59,345.69 2725.59,345.69 ; 3610,2295 3905,2295 3905,2385 3610,2385 3610,2295 ; 3735,2500 3835,2500 3835,2910 3735,2910 3735,2500
  text "URC MEB (V1.2)" at 65,3350 h60
  text "Acoustics Power Board Rev1.0" at 2225,3155 h60
  text "BAT" at 1565,3105 h60
  text "DNP" at 241,3054 h20 r90
  text "-" at 3850.01,2870 h40 r270
  text "ON" at 1300,2785 h60 r90
  text "OFF" at 1640,2785 h60 r90
  text "-" at 3850.01,2765 h40 r270
  text "+" at 3853.34,2666.67 h40 r270
  text "+" at 3853.34,2570 h40 r270
  text "MEB" at 940,2400 h60 r90
  text "PWR_IN" at 3605,2226.66 h40
  text "THR" at 1045,2040 h60 r90
  text "DNP" at 614,1814 h20
  text "DNP" at 614,1604 h20
  text "URC eZ-FETT Lite (V1.0)" at 355,1440 h60
  text "RTS" at 1652.63,1341 h40
  text "Debug" at 294.67,1257 h40 r90
  text "CTS" at 1652.63,1236 h40
  text "RXD" at 1652.63,1141 h40
  text "TXD" at 1652.63,1046 h40
  text "Target" at 1600.01,1025 h60 r90
  text "RST" at 1652.63,941 h40
  text "PWR_OUT" at 2140,911.66 h40
  text "TST" at 1652.63,846 h40
  text "VCC" at 1652.63,741 h40
  text "Camera Rev1.1" at 2715,650 h60
  text "GND" at 1652.63,636 h40
  text "+" at 3588.08,514.04 h40 r90
  text "DRN" at 2903.41,436.04 h40 r90
Bottom Overlay:
  text "JLCJLCJLCJLC" at 815,75 h60
Mechanical 1:
  lines w0: 2529.41,90.04 2529.41,565.04 3621.26,565.04 3621.26,90.04 2529.41,90.04
  lines w10: 75,25 1945,25 1945,1525 75,1525 75,25

## Text inside footprints (layer, text, board x,y; h text height)
J1: Mechanical 1 "Board edge" at 81.66,121.54 h7.87 r270
Q1_1: Top Overlay "*" at 2592.5,1885.99 h50 r270; Mechanical 13 "*" at 2682.5,1771.03 h50 r270